# Altium PCB Universal_PCB.PcbDoc (part 2 of 3) (continued)
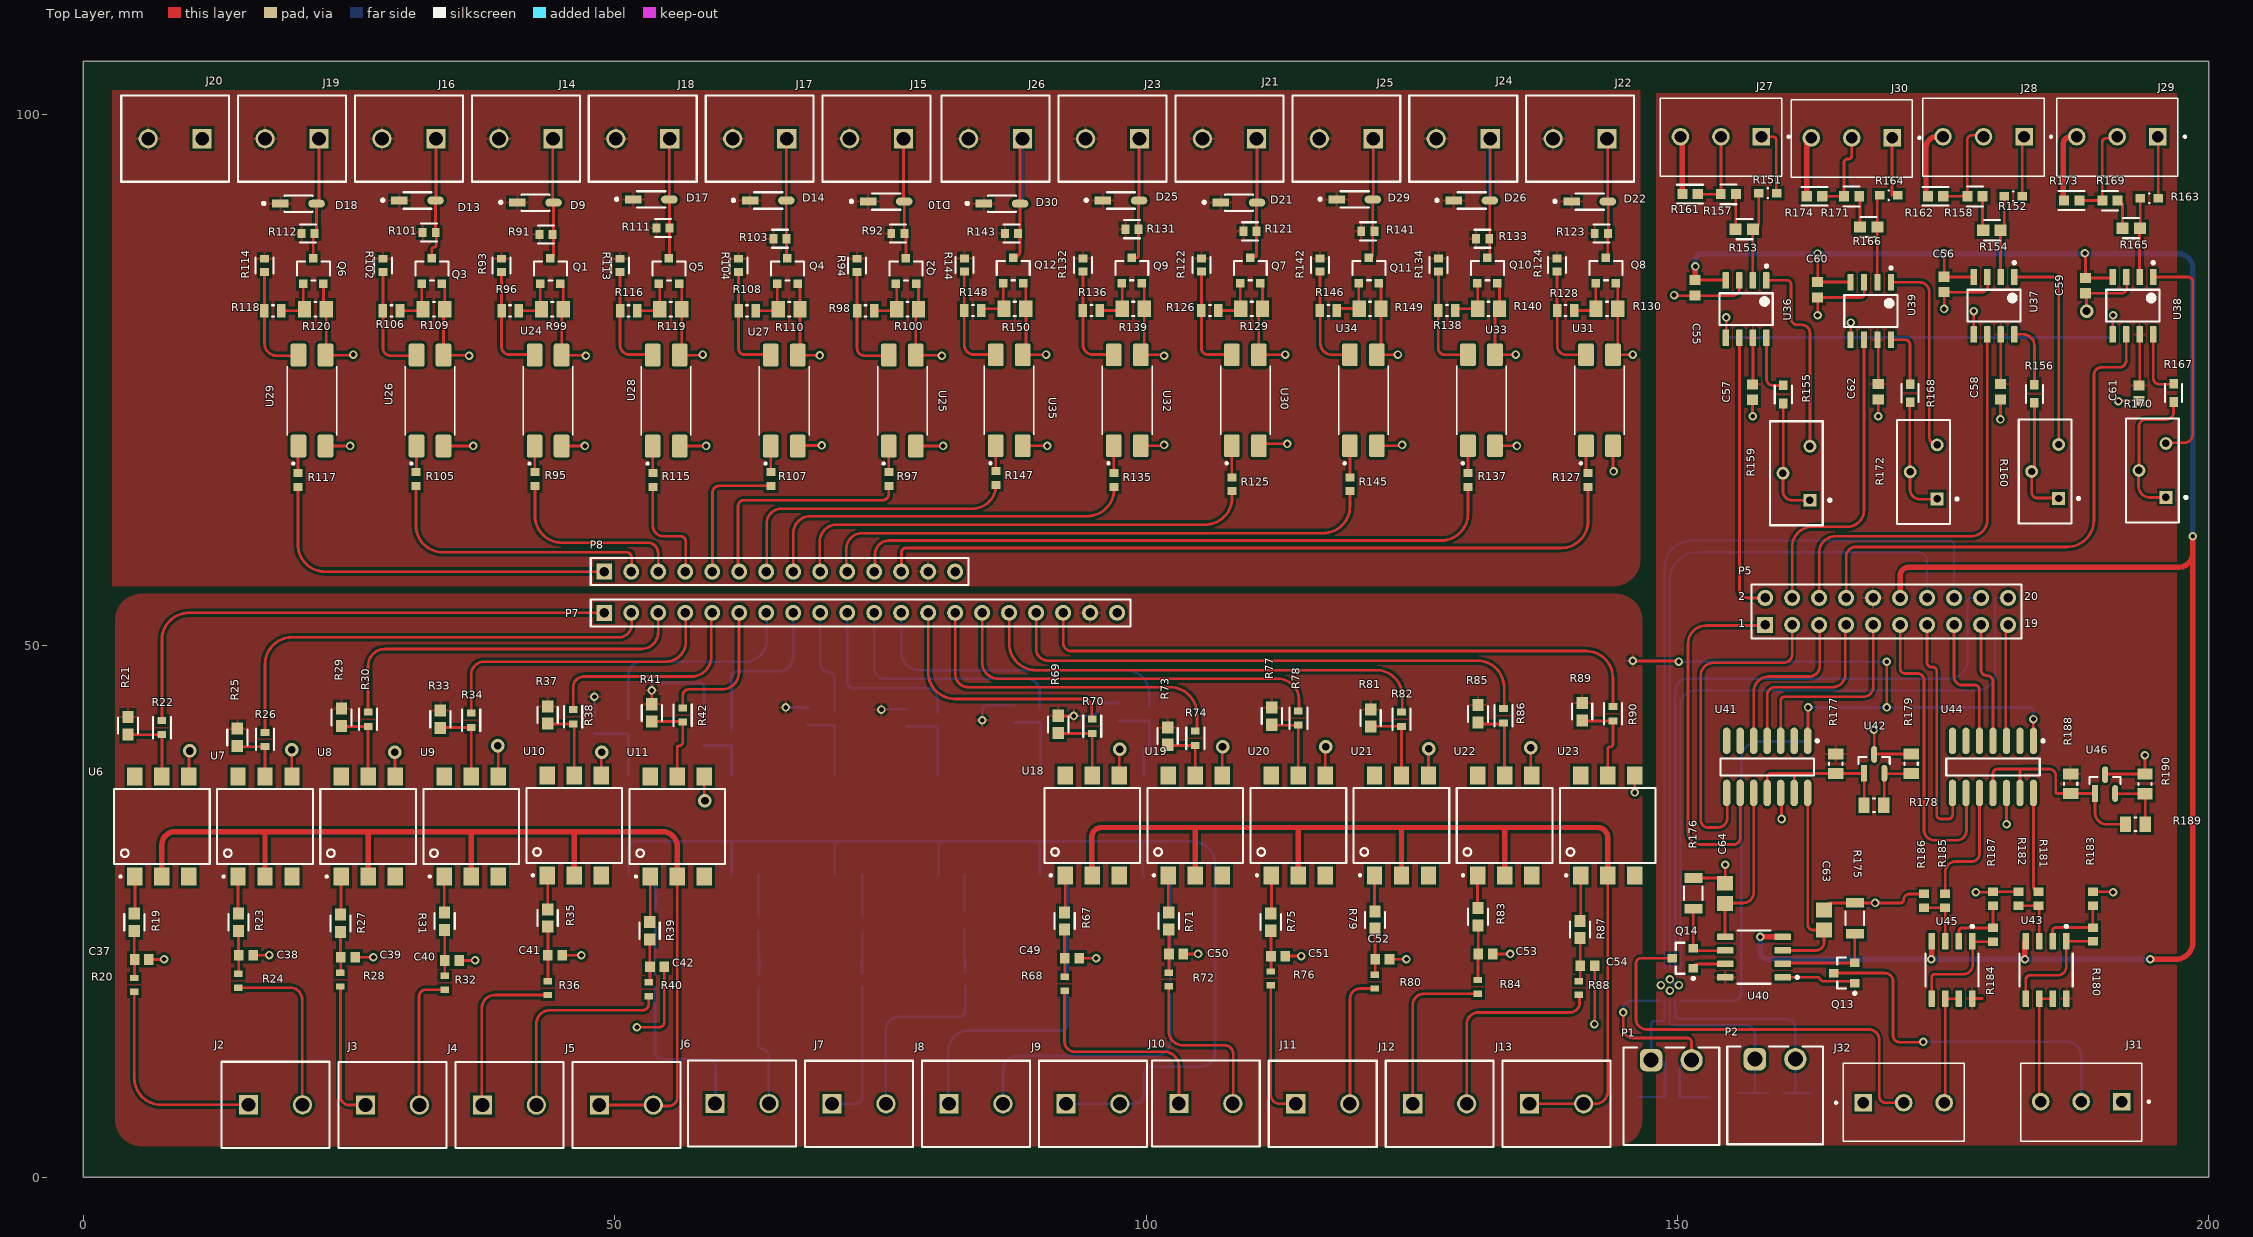
[diagram p0: Top Layer view]
## Nets (pads, with @x,y where several pads share a name; then routed paths per layer and width w, separated by ;. In a path a pad name is that pad's centre, name@x,y a point inside that pad or via, vN(x,y) a via of type N, cw(c..) or ccw(c..) an arc to the next point about the centre after c; other vN are vias at no path point) (continued)
  Top Layer w0.254: C37.1@6.175,20.485 7.6,20.485 v1(7.6,20.5) ; U6.4@9.94,37.685 9.94,40.04 cw(c10,40.04) v2(10,40.1) ; C38.1@15.975,20.885 17.5,20.885 v1(17.5,20.9) ; v2(19.62,40.213) 19.62,37.705 ccw(c19.64,37.705) U7.4@19.64,37.685 ; Q6.2@22.6,84.072 22.6,81.947 ccw(c22.875,81.947) R120.1@22.875,81.672 22.875,77.437 cw(c22.79,77.437) U29.3@22.79,77.352 25.352,77.352 ccw(c25.352,77.4) v1(25.4,77.4) ; U29.2@22.79,68.792 25.1,68.792 v1(25.1,68.8) ; C39.1@25.575,20.685 25.575,20.7 v1(27.3,20.7) ; v2(29.326,39.973) 29.34,39.973 U8.4@29.34,37.685 ; Q3.2@33.753,84.072 cw(c33.753,83.806) 34.019,83.806 R109.1@34.019,81.672 ccw(c34.019,81.553) 33.9,81.553 U26.3@33.9,77.352 36.248,77.352 cw(c36.248,77.3) v1(36.3,77.3) ; U26.2@33.9,68.792 36.7,68.792 v1(36.7,68.8) ; C40.1@35.375,20.385 36.838,20.385 ccw(c36.838,20.409) v1(36.862,20.409) ; v2(39,40.6) cw(c39,40.56) 39.04,40.56 U9.4@39.04,37.685 ; Q1.2@44.905,84.072 cw(c44.905,83.815) 45.162,83.815 R99.1@45.162,81.672 ccw(c45.162,81.52) 45.01,81.52 U24.3@45.01,77.352 47.248,77.352 cw(c47.248,77.3) v1(47.3,77.3) ; U24.2@45.01,68.792 47.2,68.792 v1(47.2,68.8) ; C41.1@45.075,20.885 46.875,20.885 v1(46.875,20.887) ; U10.4@48.74,37.8 48.74,39.94 cw(c48.8,39.94) v2(48.8,40) ; v1(52.1,14.1) 54.2,14.1 ccw(c54.2,14.575) 54.675,14.575 C42.1@54.675,19.785 ; Q5.2@56.058,84.072 cw(c56.058,83.824) 56.306,83.824 R119.1@56.306,81.672 56.306,77.538 cw(c56.12,77.538) U28.3@56.12,77.352 58.252,77.352 ccw(c58.252,77.4) v1(58.3,77.4) ; U28.2@56.12,68.792 58.6,68.792 v1(58.6,68.8) ; U11.4@58.44,37.685 58.44,35.46 ccw(c58.5,35.46) v2(58.5,35.4) ; Q4.2@67.211,84.072 cw(c67.211,83.833) 67.449,83.833 R110.1@67.449,81.672 67.449,77.571 cw(c67.23,77.571) U27.3@67.23,77.352 69.272,77.352 cw(c69.272,77.326) v1(69.298,77.326) ; U27.2@67.23,68.792 cw(c67.289,68.792) 67.289,68.851 v1(69.485,68.851) ; U25.2@78.34,68.792 80.9,68.792 v1(80.9,68.8) ; Q2.2@78.364,84.072 cw(c78.364,83.842) 78.593,83.842 R100.1@78.593,81.672 ccw(c78.593,81.419) 78.34,81.419 U25.3@78.34,77.352 80.748,77.352 cw(c80.748,77.3) v1(80.8,77.3) ; U35.2@88.395,68.82 90.68,68.82 cw(c90.68,68.8) v1(90.7,68.8) ; Q12.2@88.461,84.1 cw(c88.461,83.88) 88.682,83.88 R150.1@88.682,81.7 cw(c88.682,81.682) 88.7,81.682 88.7,77.38 90.58,77.38 ccw(c90.58,77.4) v1(90.6,77.4) ; C49.1@93.715,20.6 v1(95.3,20.6) ; U18.4@97.48,37.8 97.48,40.218 cw(c97.523,40.218) v2(97.523,40.261) ; U32.2@99.505,68.82 101.62,68.82 ccw(c101.62,68.9) v1(101.7,68.9) ; Q9.2@99.614,84.1 cw(c99.614,83.889) 99.826,83.889 R139.1@99.826,81.7 99.826,77.7 cw(c99.505,77.7) U32.3@99.505,77.38 101.62,77.38 cw(c101.62,77.3) v1(101.7,77.3) ; C50.1@103.515,21 v1(104.9,21) ; U19.4@107.18,37.8 107.18,40.48 cw(c107.2,40.48) v2(107.2,40.5) ; U30.2@110.615,68.82 cw(c110.795,68.82) 110.795,69 v1(113.3,69) ; Q7.2@110.767,84.1 cw(c110.767,83.898) 110.969,83.898 R129.1@110.969,81.7 ccw(c110.969,81.346) 110.615,81.346 U30.3@110.615,77.38 113.08,77.38 ccw(c113.08,77.4) v1(113.1,77.4) ; C51.1@113.115,20.8 v1@114.6,20.8 ; U20.4@116.88,37.8 116.88,40.48 cw(c116.9,40.48) v2(116.9,40.5) ; U34.2@121.725,68.82 124.02,68.82 ccw(c124.02,68.9) v1(124.1,68.9) ; Q11.2@121.92,84.1 cw(c121.92,83.907) 122.113,83.907 R149.1@122.113,81.7 122.113,77.768 cw(c121.725,77.768) U34.3@121.725,77.38 123.68,77.38 ccw(c123.68,77.4) v1(123.7,77.4) ; C52.1@122.915,20.5 v1(124.5,20.5) ; U21.4@126.58,37.8 126.58,40.28 cw(c126.6,40.28) v2(126.6,40.3) ; C53.1@132.615,21 v1(134.266,21) ; U33.2@132.835,68.82 134.88,68.82 cw(c134.88,68.8) v1(134.9,68.8) ; Q10.2@133.072,84.1 cw(c133.072,83.916) 133.256,83.916 R140.1@133.256,81.7 ccw(c133.256,81.279) 132.835,81.279 U33.3@132.835,77.38 134.78,77.38 ccw(c134.78,77.4) v1(134.8,77.4) ; v2(136.2,40.4) 136.2,37.88 ccw(c136.28,37.88) U22.4@136.28,37.8 ; v1(142.2,14.4) 142.215,14.4 C54.1@142.215,19.9 ; U31.2@143.945,68.82 143.945,66.455 ccw(c144,66.455) v1(144,66.4) ; Q8.2@144.225,84.1 cw(c144.225,83.925) 144.4,83.925 R130.1@144.4,81.7 144.4,77.835 cw(c143.945,77.835) U31.3@143.945,77.38 145.78,77.38 ccw(c145.78,77.4) v1(145.8,77.4) ; U23.4@145.98,37.8 145.98,36.22 ccw(c146,36.22) v1(146,36.2) ; v1(149.69,83) ccw(c149.74,83) 149.74,82.95 C55.1@151.675,82.95 155.223,82.95 ccw(c155.223,83.567) 155.84,83.567 U36.3@155.84,84.375 ; R176.1@151.5,28.15 153.951,28.15 cw(c153.951,27.65) C64.1@154.451,27.65 ; C64.1@154.5,27.65 v1(154.5,29.4) ; C57.1@157.075,73.15 157.075,71.625 ccw(c157.1,71.625) v1(157.1,71.6) ; U41.12@159.72,36.15 cw(c159.72,36.07) 159.8,36.07 v1(159.8,33.7) ; v1(163.2,81.1) C60.1@163.2,82.775 167.275,82.775 ccw(c167.275,83.1) 167.6,83.1 167.6,84.165 ccw(c167.565,84.165) U39.3@167.565,84.2 ; C63.1@163.8,25.15 cw(c164.45,25.15) 164.45,25.8 R175.1@166.7,25.8 v1(168.6,25.8) 171,25.8 ccw(c171,26.1) 171.3,26.1 cw(c171.85,26.1) 171.85,26.65 R186.1@173.2,26.65 ; v1(168.5,42.1) cw(c168.5,42.078) 168.522,42.078 U42.3@168.522,39.774 cw(c168.573,39.774) 168.573,39.825 R179.1@172,39.825 ; v1(168.9,71.6) C62.1@168.9,73.175 ; v1(175.1,81.7) C56.1@175.1,83.275 178.675,83.275 ccw(c178.675,83.8) 179.2,83.8 179.2,84.665 ccw(c179.165,84.665) U37.3@179.165,84.7 ; v1(178.1,26.8) 179.65,26.8 ccw(c179.65,26.85) R187.1@179.7,26.85 R182.1@182.1,26.85 ; R187.1@179.7,26.841 181.121,26.841 ; v1(180.4,71.3) C58.1@180.4,73.175 ; U44.12@180.97,36.15 180.97,33.215 v1(180.984,33.215) ; v2(188.5,81.5) 188.5,83.075 ccw(c188.4,83.075) C59.1@188.4,83.175 191.775,83.175 ccw(c191.775,83.7) 192.3,83.7 192.3,84.628 ccw(c192.228,84.628) U38.3@192.228,84.7 ; R183.1@189.1,26.85 190.95,26.85 cw(c190.95,26.8) v1(191,26.8) ; U46.3@190.25,37.925 R190.1@194,37.925 v1(194,39.7) ; v1(191.5,73) cw(c191.55,73) 191.55,73.05 C61.1@193.445,73.05
  Top Layer w0.508: J27.03@150.29,97.9 cw(c150.29,97.717) 150.473,97.717 R161.2@150.473,92.5 ; R174.2@162.173,92.3 162.173,97.373 cw(c162.6,97.373) J30.03@162.6,97.8 ; R162.2@173.573,92.3 cw(c173.573,92.473) 173.4,92.473 173.4,96.9 cw(c174.4,96.9) 174.4,97.9 J28.03@175,97.9 ; R173.2@186.373,91.9 cw(c186.373,91.973) 186.3,91.973 186.3,97.2 cw(c187,97.2) 187,97.9 J29.03@187.58,97.9
  Bottom Layer w0.254: v1(149.3,18.6) U47.11@149.825,18.075
  other v1: 149.3,17.55 148.45,18.075 150.15,18.075 114.6,20.8
NetC37_2: C37.2 R19.1 R20.2 | length 13.3
  Top Layer w0.254: R20.2@4.8,18.735 ccw(c4.8,18.76) R20.2@4.825,18.76 ; C37.2@4.8,20.51 ccw(c4.825,20.51) C37.2@4.825,20.485 ; C37.2@4.8,20.51 ccw(c4.825,20.51) C37.2@4.825,20.485 ; C37.2@4.8,20.51 ccw(c4.825,20.51) C37.2@4.825,20.485 ; C37.2@4.8,20.51 R19.1@4.8,23.169 ; C37.2@4.8,20.51 R19.1@4.8,23.169 ; C37.2@4.8,20.51 R19.1@4.8,23.169 ; R20.2@4.825,18.76 C37.2@4.825,20.485 ; R20.2@4.825,18.76 C37.2@4.825,20.485 ; R20.2@4.825,18.76 C37.2@4.825,20.485
NetC38_2: C38.2 R23.1 R24.2 | length 4.1
  Top Layer w0.254: R24.2@14.6,19.135 ccw(c14.6,19.16) 14.625,19.16 C38.2@14.625,20.885 cw(c14.625,20.91) 14.6,20.91 R23.1@14.6,23.169
NetC39_2: C39.2 R27.1 R28.2 | length 11.5
  Top Layer w0.254: R28.2@24.2,19.235 ccw(c24.2,19.26) R28.2@24.225,19.26 ; C39.2@24.2,20.71 ccw(c24.225,20.71) C39.2@24.225,20.685 ; C39.2@24.2,20.71 ccw(c24.225,20.71) C39.2@24.225,20.685 ; C39.2@24.2,20.71 ccw(c24.225,20.71) C39.2@24.225,20.685 ; C39.2@24.2,20.71 R27.1@24.2,23.069 ; C39.2@24.2,20.71 R27.1@24.2,23.069 ; C39.2@24.2,20.71 R27.1@24.2,23.069 ; R28.2@24.225,19.26 C39.2@24.225,20.685 ; R28.2@24.225,19.26 C39.2@24.225,20.685 ; R28.2@24.225,19.26 C39.2@24.225,20.685
NetC40_2: C40.2 R31.1 R32.2 | length 4.4
  Top Layer w0.254: R32.2@34,18.935 ccw(c34,18.96) 34.025,18.96 C40.2@34.025,20.385 cw(c34.025,20.41) 34,20.41 R31.1@34,23.269
NetC41_2: C41.2 R35.1 R36.2 | length 5.2
  Top Layer w0.254: R36.2@43.7,18.435 ccw(c43.7,18.46) 43.725,18.46 C41.2@43.725,20.885 43.725,23.544 ccw(c43.7,23.544) R35.1@43.7,23.569
NetC42_2: C42.2 R39.1 R40.2 | length 7.2
  Top Layer w0.254: R39.1@53.3,22.369 53.3,19.81 ccw(c53.325,19.81) C42.2@53.325,19.785 ; R40.2@53.2,18.335 ccw(c53.2,18.46) R40.2@53.325,18.46 ; R40.2@53.2,18.335 ccw(c53.2,18.46) R40.2@53.325,18.46 ; R40.2@53.2,18.335 ccw(c53.2,18.46) R40.2@53.325,18.46 ; R40.2@53.325,18.46 C42.2@53.325,19.785 ; R40.2@53.325,18.46 C42.2@53.325,19.785 ; R40.2@53.325,18.46 C42.2@53.325,19.785
NetC43_2: C43.2 R43.1 R44.2 | length 7.5
  Bottom Layer w0.254: R43.1@53.8,23.585 C43.2@53.8,20.625 ; R44.2@53.775,19.175 ccw(c53.8,19.175) R44.2@53.8,19.15 ; R44.2@53.775,19.175 ccw(c53.8,19.175) R44.2@53.8,19.15 ; R44.2@53.775,19.175 ccw(c53.8,19.175) R44.2@53.8,19.15 ; R44.2@53.775,19.175 C43.2@53.775,20.6 ; R44.2@53.775,19.175 C43.2@53.775,20.6 ; R44.2@53.775,19.175 C43.2@53.775,20.6 ; C43.2@53.775,20.6 ccw(c53.775,20.625) C43.2@53.8,20.625 ; C43.2@53.775,20.6 ccw(c53.775,20.625) C43.2@53.8,20.625 ; C43.2@53.775,20.6 ccw(c53.775,20.625) C43.2@53.8,20.625
NetC44_2: C44.2 R47.1 R48.2 | length 7.7
  Bottom Layer w0.254: R48.2@63.5,19.05 ccw(c63.5,19.125) R48.2@63.575,19.125 ; R47.1@63.5,23.085 C44.2@63.5,20.875 ; C44.2@63.5,20.875 ccw(c63.575,20.875) C44.2@63.575,20.8 ; C44.2@63.5,20.875 ccw(c63.575,20.875) C44.2@63.575,20.8 ; C44.2@63.5,20.875 ccw(c63.575,20.875) C44.2@63.575,20.8 ; R48.2@63.575,19.125 C44.2@63.575,20.8 ; R48.2@63.575,19.125 C44.2@63.575,20.8 ; R48.2@63.575,19.125 C44.2@63.575,20.8
NetC45_2: C45.2 R51.1 R52.2 | length 6.8
  Bottom Layer w0.254: R51.1@73.3,22.985 73.3,20.625 cw(c73.275,20.625) C45.2@73.275,20.6 ; R52.2@73.275,19.175 ccw(c73.3,19.175) R52.2@73.3,19.15 ; R52.2@73.275,19.175 ccw(c73.3,19.175) R52.2@73.3,19.15 ; R52.2@73.275,19.175 ccw(c73.3,19.175) R52.2@73.3,19.15 ; R52.2@73.275,19.175 C45.2@73.275,20.6 ; R52.2@73.275,19.175 C45.2@73.275,20.6 ; R52.2@73.275,19.175 C45.2@73.275,20.6
NetC46_2: C46.2 R55.1 R56.2 | length 7.4
  Bottom Layer w0.254: R55.1@82.9,23.385 C46.2@82.9,20.775 ; C46.2@82.9,20.775 ccw(c82.975,20.775) C46.2@82.975,20.7 ; C46.2@82.9,20.775 ccw(c82.975,20.775) C46.2@82.975,20.7 ; C46.2@82.9,20.775 ccw(c82.975,20.775) C46.2@82.975,20.7 ; R56.2@82.975,19.275 ccw(c83,19.275) R56.2@83,19.25 ; R56.2@82.975,19.275 ccw(c83,19.275) R56.2@83,19.25 ; R56.2@82.975,19.275 ccw(c83,19.275) R56.2@83,19.25 ; R56.2@82.975,19.275 C46.2@82.975,20.7 ; R56.2@82.975,19.275 C46.2@82.975,20.7 ; R56.2@82.975,19.275 C46.2@82.975,20.7
NetC47_2: C47.2 R59.1 R60.2 | length 15.4
  Bottom Layer w0.254: R60.2@92.6,18.55 cw(c92.6,18.575) R60.2@92.575,18.575 ; R60.2@92.575,18.575 C47.2@92.575,20.9 ; R60.2@92.575,18.575 C47.2@92.575,20.9 ; R60.2@92.575,18.575 C47.2@92.575,20.9 ; C47.2@92.575,20.9 ccw(c92.575,20.925) C47.2@92.6,20.925 ; C47.2@92.575,20.9 ccw(c92.575,20.925) C47.2@92.6,20.925 ; C47.2@92.575,20.9 ccw(c92.575,20.925) C47.2@92.6,20.925 ; C47.2@92.6,20.925 R59.1@92.6,23.685 ; C47.2@92.6,20.925 R59.1@92.6,23.685 ; C47.2@92.6,20.925 R59.1@92.6,23.685
NetC48_2: C48.2 R63.1 R64.2 | length 13.1
  Bottom Layer w0.254: R64.2@102.275,18.475 ccw(c102.3,18.475) R64.2@102.3,18.45 ; R64.2@102.275,18.475 ccw(c102.3,18.475) R64.2@102.3,18.45 ; R64.2@102.275,18.475 ccw(c102.3,18.475) R64.2@102.3,18.45 ; R64.2@102.275,18.475 C48.2@102.275,20.3 ; R64.2@102.275,18.475 C48.2@102.275,20.3 ; R64.2@102.275,18.475 C48.2@102.275,20.3 ; C48.2@102.275,20.3 ccw(c102.275,20.325) C48.2@102.3,20.325 ; C48.2@102.275,20.3 ccw(c102.275,20.325) C48.2@102.3,20.325 ; C48.2@102.275,20.3 ccw(c102.275,20.325) C48.2@102.3,20.325 ; C48.2@102.3,20.325 R63.1@102.3,22.785 ; C48.2@102.3,20.325 R63.1@102.3,22.785 ; C48.2@102.3,20.325 R63.1@102.3,22.785
NetC49_2: C49.2 R67.1 R68.2 | length 4.5
  Top Layer w0.254: R68.2@92.34,18.85 ccw(c92.34,18.875) 92.365,18.875 C49.2@92.365,20.6 cw(c92.365,20.625) 92.34,20.625 R67.1@92.34,23.285
NetC50_2: C50.2 R71.1 R72.2 | length 4.1
  Top Layer w0.254: R72.2@102.14,19.25 ccw(c102.14,19.275) 102.165,19.275 C50.2@102.165,21 102.165,23.26 ccw(c102.14,23.26) R71.1@102.14,23.285
NetC51_2: C51.2 R75.1 R76.2 | length 3.9
  Top Layer w0.254: R76.2@111.74,19.35 ccw(c111.74,19.375) 111.765,19.375 C51.2@111.765,20.8 111.765,23.16 ccw(c111.74,23.16) R75.1@111.74,23.185
NetC52_2: C52.2 R79.1 R80.2 | length 4.4
  Top Layer w0.254: R80.2@121.54,19.05 ccw(c121.54,19.075) 121.565,19.075 C52.2@121.565,20.5 cw(c121.565,20.525) 121.54,20.525 R79.1@121.54,23.385
NetC53_2: C53.2 R83.1 R84.2 | length 5.2
  Top Layer w0.254: R84.2@131.24,18.55 131.24,20.975 cw(c131.265,20.975) C53.2@131.265,21 131.265,23.66 ccw(c131.24,23.66) R83.1@131.24,23.685
NetC54_2: C54.2 R87.1 R88.2 | length 4.1
  Top Layer w0.254: R88.2@140.74,18.45 ccw(c140.74,18.575) 140.865,18.575 C54.2@140.865,19.9 140.865,22.46 ccw(c140.84,22.46) R87.1@140.84,22.485
NetC63_2: C63.2 U40.3 U41.14 | length 19.7
  Top Layer w0.254: U40.3@159.9,21.335 163.035,21.335 ccw(c163.035,22.1) 163.8,22.1 C63.2@163.8,23.25 162.8,23.25 cw(c162.8,23.79) 162.26,23.79 U41.14@162.26,36.15
NetC64_2: C64.2 U40.5 U41.10 | length 15.8
  Top Layer w0.254: U40.5@154.476,22.605 154.476,25.75 cw(c154.526,25.75) 154.526,25.8 156.2,25.8 ccw(c156.2,26.78) 157.18,26.78 U41.10@157.18,36.15
NetC65_1: C65.1 C67.2 P1.2 U47.5 | length 21.2
  Top Layer w0.254: v1(144.9,15.5) 144.9,14 ccw(c145.8,14) 145.8,13.1 150.9,13.1 cw(c150.9,12.661) 151.339,12.661 P1.2@151.339,11.01
  Bottom Layer w0.254: v1(144.9,15.5) 144.9,15.8 cw(c145.7,15.8) 145.7,16.6 U47.5@148.3,16.6 ; P1.2@151.339,11.01 151.31,11.01 ccw(c151.31,9.9) 150.2,9.9 150.2,7.575 ccw(c150.25,7.575) 150.25,7.525 C67.2@152.8,7.525
NetC65_2: C65.2 C66.2 P1.1 U47.4 | length 15
  Bottom Layer w0.203: C66.2@146.2,7.536 148.739,7.536 cw(c148.739,7.5) C65.2@148.775,7.5 ; 147.9,14.7 148.5,14.7 ccw(c148.5,15) 148.8,15 U47.4@148.8,16.6
  Bottom Layer w0.254: C65.2@148.775,7.5 ccw(c148.775,7.565) 148.84,7.565 148.84,10.485 ccw(c148.315,10.485) 148.315,11.01 P1.1@147.529,11.01 147.529,14.329 ; 147.529,14.329 cw(c147.9,14.329) 147.9,14.7 ; 147.529,14.329 cw(c147.9,14.329) 147.9,14.7 ; 147.529,14.329 cw(c147.9,14.329) 147.9,14.7
NetC69_1: C69.1 C71.2 P2.2 U47.2 | length 22.9
  Bottom Layer w0.203: U47.2@149.8,16.6 149.8,15.2 ; 150.7,14.9 150.1,14.9 ; 149.8,15.2 ccw(c150.1,15.2) 150.1,14.9 ; 149.8,15.2 ccw(c150.1,15.2) 150.1,14.9 ; 149.8,15.2 ccw(c150.1,15.2) 150.1,14.9
  Bottom Layer w0.254: 150.7,14.9 160.2,14.9 cw(c160.2,14) 161.1,14 P2.2@161.1,11.1 ; C69.1@160.025,7.9 162.575,7.9 ccw(c162.575,7.925) C71.2@162.6,7.925 ; 161.1,8.025 P2.2@161.1,11.1 ; P2.2@161.105,11.1 P2.2@161.1,11.1
NetC69_2: C69.2 C70.2 P2.1 U47.3 | length 22.7
  Bottom Layer w0.203: U47.3@149.3,16.6 149.3,14.6 ; 149.9,14.3 149.6,14.3 ; C70.2@155.7,7.925 158.55,7.925 cw(c158.55,7.9) C69.2@158.575,7.9 ; P2.1@157.295,11.1 157.3,11.1 157.3,8.025 ; 149.3,14.6 ccw(c149.6,14.6) 149.6,14.3 ; 149.3,14.6 ccw(c149.6,14.6) 149.6,14.3 ; 149.3,14.6 ccw(c149.6,14.6) 149.6,14.3
  Bottom Layer w0.254: 149.9,14.3 156.4,14.3 ; P2.1@157.295,11.1 157.3,11.1 157.3,13.4 ; 156.4,14.3 cw(c156.4,13.4) 157.3,13.4 ; 156.4,14.3 cw(c156.4,13.4) 157.3,13.4 ; 156.4,14.3 cw(c156.4,13.4) 157.3,13.4
NetD9_2: D9.2 D11.1 J14.1 Q1.3 R91.1 | length 17.2
  Top Layer w0.254: Q1.3@43.955,86.472 ccw(c43.955,86.767) 44.25,86.767 44.25,88.7 D9.2@44.25,91.7 ; D9.2@44.188,91.762 J14.1@44.188,97.715
  Bottom Layer w0.254: J14.1@44.188,97.715 44.188,92.012 ccw(c44.3,92.012) D11.1@44.3,91.9
NetD10_2: D10.2 D12.1 J15.1 Q2.3 R92.1 | length 17.7
  Top Layer w0.254: J15.1@77.19,97.715 77.19,91.875 D10.2@77.258,91.808 ; D10.2@77.265,91.785 R92.1@77.265,88.8 cw(c77.265,88.652) 77.414,88.652 Q2.3@77.414,86.472
  Bottom Layer w0.254: J15.1@77.19,97.715 77.19,92.56 ccw(c77.95,92.56) D12.1@77.95,91.8
NetD13_2: D13.2 D15.1 J16.1 Q3.3 R101.1 | length 19
  Top Layer w0.254: Q3.3@32.803,86.472 32.803,87.303 ; J16.1@33.188,97.715 33.188,91.991 cw(c33.06,91.991) D13.2@33.15,91.9 R101.1@33.15,88.936 ; 32.803,87.303 cw(c33,87.303) 33,87.5 ; 32.803,87.303 cw(c33,87.303) 33,87.5 ; 32.803,87.303 cw(c33,87.303) 33,87.5 ; 33,87.5 ccw(c33,87.7) 33.2,87.7 ; 33,87.5 ccw(c33,87.7) 33.2,87.7 ; 33,87.5 ccw(c33,87.7) 33.2,87.7 ; R101.1@33.15,88.936 ccw(c33.202,88.936) R101.1@33.165,88.9 ; R101.1@33.15,88.936 ccw(c33.202,88.936) R101.1@33.165,88.9 ; R101.1@33.15,88.936 ccw(c33.202,88.936) R101.1@33.165,88.9 ; R101.1@33.165,88.9 cw(c33.082,88.816) 33.2,88.816 33.2,87.7
  Bottom Layer w0.254: J16.1@33.188,97.715 33.188,92.557 ccw(c33.845,92.557) D15.1@33.845,91.9
NetD14_2: D14.2 D16.1 J17.1 Q4.3 R103.1 | length 17.4
  Top Layer w0.254: J17.1@66.19,97.715 ccw(c66.19,97.676) 66.15,97.676 D14.2@66.15,91.9 R103.1@66.15,88.33 ; Q4.3@66.261,86.472 cw(c66.261,86.552) 66.181,86.552 R103.1@66.181,88.3 ; R103.1@66.15,88.33 ccw(c66.181,88.33) R103.1@66.181,88.3 ; R103.1@66.15,88.33 ccw(c66.181,88.33) R103.1@66.181,88.3 ; R103.1@66.15,88.33 ccw(c66.181,88.33) R103.1@66.181,88.3
  Bottom Layer w0.254: D16.1@66.1,91.8 ccw(c66.1,91.89) 66.19,91.89 J17.1@66.19,97.715
NetD17_2: D17.2 D19.1 J18.1 Q5.3 R111.1 | length 17.3
  Top Layer w0.254: Q5.3@55.108,86.472 ccw(c55.108,86.529) 55.165,86.529 R111.1@55.165,89.3 55.165,92 D17.2@55.15,92 J18.1@55.15,97.677 ; J18.1@55.15,97.677 cw(c55.189,97.677) J18.1@55.189,97.715 ; J18.1@55.15,97.677 cw(c55.189,97.677) J18.1@55.189,97.715 ; J18.1@55.15,97.677 cw(c55.189,97.677) J18.1@55.189,97.715
  Bottom Layer w0.254: J18.1@55.189,97.715 55.189,91.9 D19.1@55.2,91.9
NetD18_2: D18.2 D20.1 J19.1 Q6.3 R112.1 | length 22.5
  Top Layer w0.254: Q6.3@21.65,86.472 R112.1@21.65,88.521 ; J19.1@22.187,97.715 22.187,92.172 ; R112.1@21.65,88.521 cw(c22.044,88.521) R112.1@21.765,88.8 ; R112.1@21.65,88.521 cw(c22.044,88.521) R112.1@21.765,88.8 ; R112.1@21.65,88.521 cw(c22.044,88.521) R112.1@21.765,88.8 ; R112.1@21.765,88.8 ccw(c21.319,89.247) 21.95,89.247 ; R112.1@21.765,88.8 ccw(c21.319,89.247) 21.95,89.247 ; R112.1@21.765,88.8 ccw(c21.319,89.247) 21.95,89.247 ; 21.95,89.247 D18.2@21.95,91.6 ; 21.95,89.247 D18.2@21.95,91.6 ; D18.2@21.95,91.6 ccw(c21.378,92.172) 22.187,92.172 ; D18.2@21.95,91.6 ccw(c21.378,92.172) 22.187,92.172 ; D18.2@21.95,91.6 ccw(c21.378,92.172) 22.187,92.172
  Bottom Layer w0.254: J19.1@22.187,97.715 22.2,97.715 D20.1@22.2,91.9
NetD21_2: D21.2 D23.1 J21.1 Q7.3 R121.1 | length 18.2
  Top Layer w0.254: Q7.3@109.817,86.5 cw(c109.917,86.5) 109.917,86.6 110.3,86.6 ; J21.1@110.389,97.715 cw(c110.389,97.653) 110.45,97.653 D21.2@110.45,91.7 ccw(c110.45,91.655) 110.406,91.655 R121.1@110.406,89 ; 110.3,86.6 ccw(c110.3,86.706) 110.406,86.706 ; 110.3,86.6 ccw(c110.3,86.706) 110.406,86.706 ; 110.3,86.6 ccw(c110.3,86.706) 110.406,86.706 ; 110.406,86.706 R121.1@110.406,89 ; R121.1@110.406,89 ccw(c110.406,89.045) R121.1@110.45,89.045 ; R121.1@110.406,89 ccw(c110.406,89.045) R121.1@110.45,89.045 ; R121.1@110.406,89 ccw(c110.406,89.045) R121.1@110.45,89.045
  Bottom Layer w0.254: J21.1@110.389,97.715 cw(c110.389,97.604) 110.5,97.604 D23.1@110.5,91.9
NetD22_2: D22.2 D24.1 J22.1 Q8.3 R123.1 | length 17.7
  Top Layer w0.254: Q8.3@143.275,86.5 ccw(c143.275,86.675) 143.45,86.675 R123.1@143.45,88.8 ; J22.1@143.39,97.715 143.45,97.655 D22.2@143.45,91.8 143.511,91.74 143.511,88.845 R123.1@143.465,88.8
  Bottom Layer w0.254: J22.1@143.39,97.715 143.39,92.56 ccw(c144.15,92.56) D24.1@144.15,91.8
NetD25_2: D25.2 D27.1 J23.1 Q9.3 R131.1 | length 18
  Top Layer w0.254: Q9.3@98.664,86.5 99.1,86.5 ccw(c99.1,86.69) 99.29,86.69 R131.1@99.29,89.2 99.29,91.84 D25.2@99.35,91.9 99.35,97.678 J23.1@99.388,97.715
  Bottom Layer w0.254: J23.1@99.388,97.715 99.388,92.557 ccw(c100.045,92.557) D27.1@100.045,91.9
NetD26_2: D26.2 D28.1 J24.1 Q10.3 R133.1 | length 17.4
  Top Layer w0.254: Q10.3@132.122,86.5 ccw(c132.122,86.728) 132.35,86.728 R133.1@132.35,88.3 ; R133.1@132.29,88.3 ccw(c132.29,88.36) 132.35,88.36 D26.2@132.35,91.9 ccw(c132.35,91.939) 132.389,91.939 J24.1@132.389,97.715 J24.1@132.35,97.676
  Bottom Layer w0.254: D28.1@132.3,91.8 132.3,97.626 cw(c132.389,97.626) J24.1@132.389,97.715
NetD29_2: D29.2 D31.1 J25.1 Q11.3 R141.1 | length 17.9
  Top Layer w0.254: R141.1@121.35,89 Q11.3@121.35,86.881 ; D29.2@121.35,92 121.35,89.14 R141.1@121.49,89 ; D29.2@121.389,92.039 J25.1@121.389,97.715 ; Q11.3@121.35,86.881 cw(c120.97,86.881) Q11.3@120.97,86.5 ccw(c120.97,86.881) Q11.3@121.35,86.881
  Bottom Layer w0.254: J25.1@121.389,97.715 121.4,97.715 D31.1@121.4,91.9
NetD30_2: D30.2 D32.1 J26.1 Q12.3 R143.1 | length 19.6
  Top Layer w0.254: J26.1@88.387,97.715 ccw(c88.387,97.478) 88.15,97.478 D30.2@88.15,91.6 88.15,87.139 ; Q12.3@87.511,86.5 ccw(c87.511,87.139) 88.15,87.139 ; Q12.3@87.511,86.5 ccw(c87.511,87.139) 88.15,87.139 ; Q12.3@87.511,86.5 ccw(c87.511,87.139) 88.15,87.139
  Bottom Layer w0.254: J26.1@88.387,97.715 88.4,97.715 D32.1@88.4,91.9
NetJ2_1: J2.1 R20.1 | length 60.9
  Top Layer w0.254: 4.8,9.348 ccw(c7.34,9.348) 7.34,6.808 ; 4.8,9.348 ccw(c7.34,9.348) 7.34,6.808 ; 4.8,9.348 ccw(c7.34,9.348) 7.34,6.808 ; 4.8,9.348 R20.1@4.8,17.435 ; 4.8,9.348 R20.1@4.8,17.435 ; 4.8,9.348 R20.1@4.8,17.435 ; 7.34,6.808 J2.1@15.548,6.808 ; 7.34,6.808 J2.1@15.548,6.808 ; 7.34,6.808 J2.1@15.548,6.808
NetJ2_2: J2.2 R24.1 | length 29.9
  Top Layer w0.254: J2.2@20.628,6.808 cw(c20.628,6.836) 20.6,6.836 20.6,16.7 ; R24.1@14.6,17.835 19.465,17.835 ; R24.1@14.6,17.835 19.465,17.835 ; R24.1@14.6,17.835 19.465,17.835 ; 19.465,17.835 cw(c19.465,16.7) 20.6,16.7 ; 19.465,17.835 cw(c19.465,16.7) 20.6,16.7 ; 19.465,17.835 cw(c19.465,16.7) 20.6,16.7
NetJ3_1: J3.1 R28.1 | length 39.5
  Top Layer w0.254: 24.2,7.6 ccw(c25.015,7.6) 25.015,6.785 ; 24.2,7.6 ccw(c25.015,7.6) 25.015,6.785 ; 24.2,7.6 ccw(c25.015,7.6) 25.015,6.785 ; 24.2,7.6 R28.1@24.2,17.935 ; 24.2,7.6 R28.1@24.2,17.935 ; 24.2,7.6 R28.1@24.2,17.935 ; 25.015,6.785 J3.1@26.552,6.785 ; 25.015,6.785 J3.1@26.552,6.785 ; 25.015,6.785 J3.1@26.552,6.785
NetJ3_2: J3.2 R32.1 | length 35.5
  Top Layer w0.254: R32.1@34,17.635 32.235,17.635 ; J3.2@31.6,6.817 ccw(c31.632,6.817) J3.2@31.632,6.785 ; J3.2@31.6,6.817 ccw(c31.632,6.817) J3.2@31.632,6.785 ; J3.2@31.6,6.817 ccw(c31.632,6.817) J3.2@31.632,6.785 ; J3.2@31.6,6.817 31.6,17 ; J3.2@31.6,6.817 31.6,17 ; J3.2@31.6,6.817 31.6,17 ; 31.6,17 cw(c32.235,17) 32.235,17.635 ; 31.6,17 cw(c32.235,17) 32.235,17.635 ; 31.6,17 cw(c32.235,17) 32.235,17.635
NetJ4_1: J4.1 R36.1 | length 38.2
  Top Layer w0.254: R36.1@43.7,17.135 38.735,17.135 ; J4.1@37.5,6.841 ccw(c37.556,6.841) J4.1@37.556,6.785 ; J4.1@37.5,6.841 ccw(c37.556,6.841) J4.1@37.556,6.785 ; J4.1@37.5,6.841 ccw(c37.556,6.841) J4.1@37.556,6.785 ; J4.1@37.5,6.841 37.5,15.9 ; J4.1@37.5,6.841 37.5,15.9 ; J4.1@37.5,6.841 37.5,15.9 ; 37.5,15.9 cw(c38.735,15.9) 38.735,17.135 ; 37.5,15.9 cw(c38.735,15.9) 38.735,17.135 ; 37.5,15.9 cw(c38.735,15.9) 38.735,17.135
NetJ4_2: J4.2 R40.1 | length 58.6
  Top Layer w0.254: R40.1@53.2,17.035 53.2,16.3 ; J4.2@42.636,6.785 42.636,14.436 ; J4.2@42.636,6.785 42.636,14.436 ; J4.2@42.636,6.785 42.636,14.436 ; 42.636,14.436 cw(c43.9,14.436) 43.9,15.7 ; 42.636,14.436 cw(c43.9,14.436) 43.9,15.7 ; 42.636,14.436 cw(c43.9,14.436) 43.9,15.7 ; 43.9,15.7 52.6,15.7 ; 43.9,15.7 52.6,15.7 ; 43.9,15.7 52.6,15.7 ; 52.6,15.7 ccw(c52.6,16.3) 53.2,16.3 ; 52.6,15.7 ccw(c52.6,16.3) 53.2,16.3 ; 52.6,15.7 ccw(c52.6,16.3) 53.2,16.3
NetJ5_1: J5.1 J5.2 U6.2 U7.2 U8.2 U9.2 U10.2 U11.2 | length 101.7
  Top Layer w0.254: J5.1@48.56,6.785 J5.2@53.64,6.785 ; U11.2@55.9,28.285 55.9,7.5 cw(c55.1,7.5) 55.1,6.7 J5.2@53.725,6.7 ; J5.2@53.64,6.785 ccw(c53.725,6.785) J5.2@53.725,6.7 ; J5.2@53.64,6.785 ccw(c53.725,6.785) J5.2@53.725,6.7 ; J5.2@53.64,6.785 ccw(c53.725,6.785) J5.2@53.725,6.7
  Top Layer w0.508: U6.2@7.4,28.285 7.4,31.3 cw(c8.6,31.3) 8.6,32.5 17,32.5 ; U7.2@17.1,28.285 17.1,32.4 ccw(c17,32.4) 17,32.5 ; U8.2@26.8,28.285 26.8,32.5 ; U9.2@36.5,28.285 36.5,32.4 cw(c36.6,32.4) 36.6,32.5 ; U10.2@46.2,28.285 46.2,32.5 ; U11.2@55.9,28.285 55.9,31.1 ccw(c54.5,31.1) 54.5,32.5 46.2,32.5 ; 17,32.5 26.8,32.5 ; 26.8,32.5 36.5,32.5 36.6,32.5 ; 36.6,32.5 46.2,32.5